# KiCad board RP2040_motor.kicad_pcb
title: RP2040 Motor Controller; date: 2023-05-26; rev: REV3; company: Twisted Fields, LLC
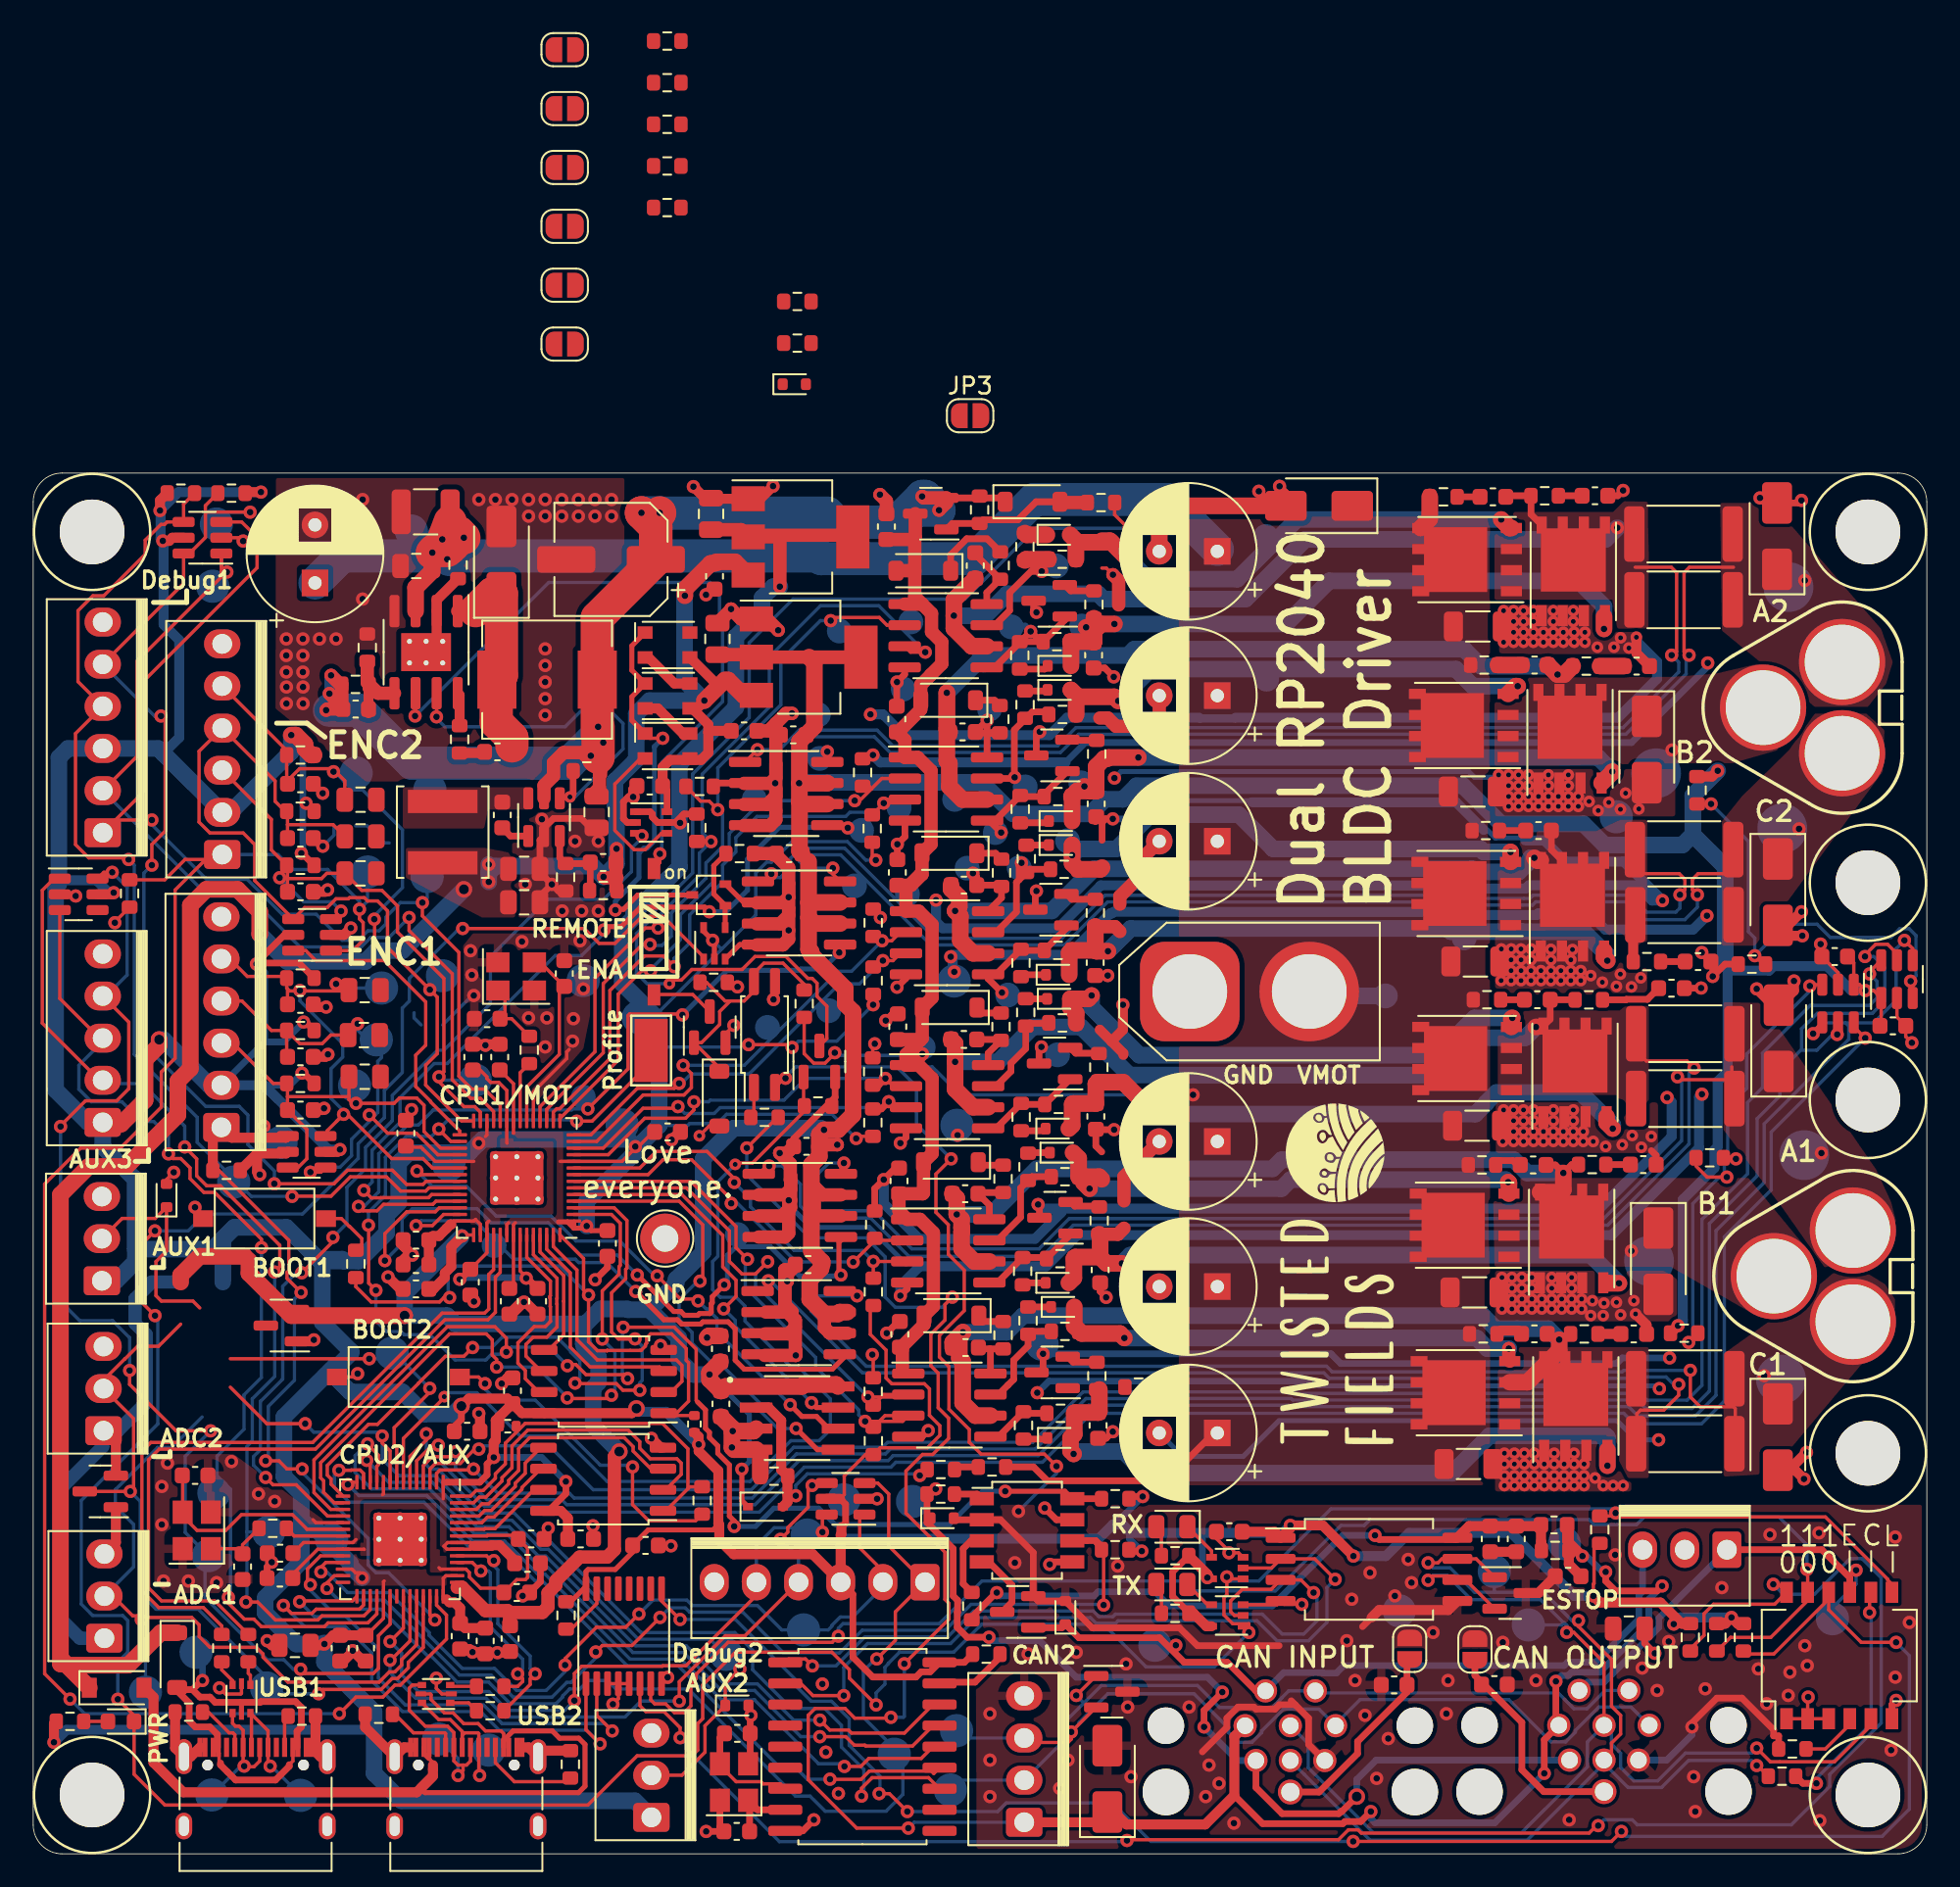
[diagram p0: board, top side]
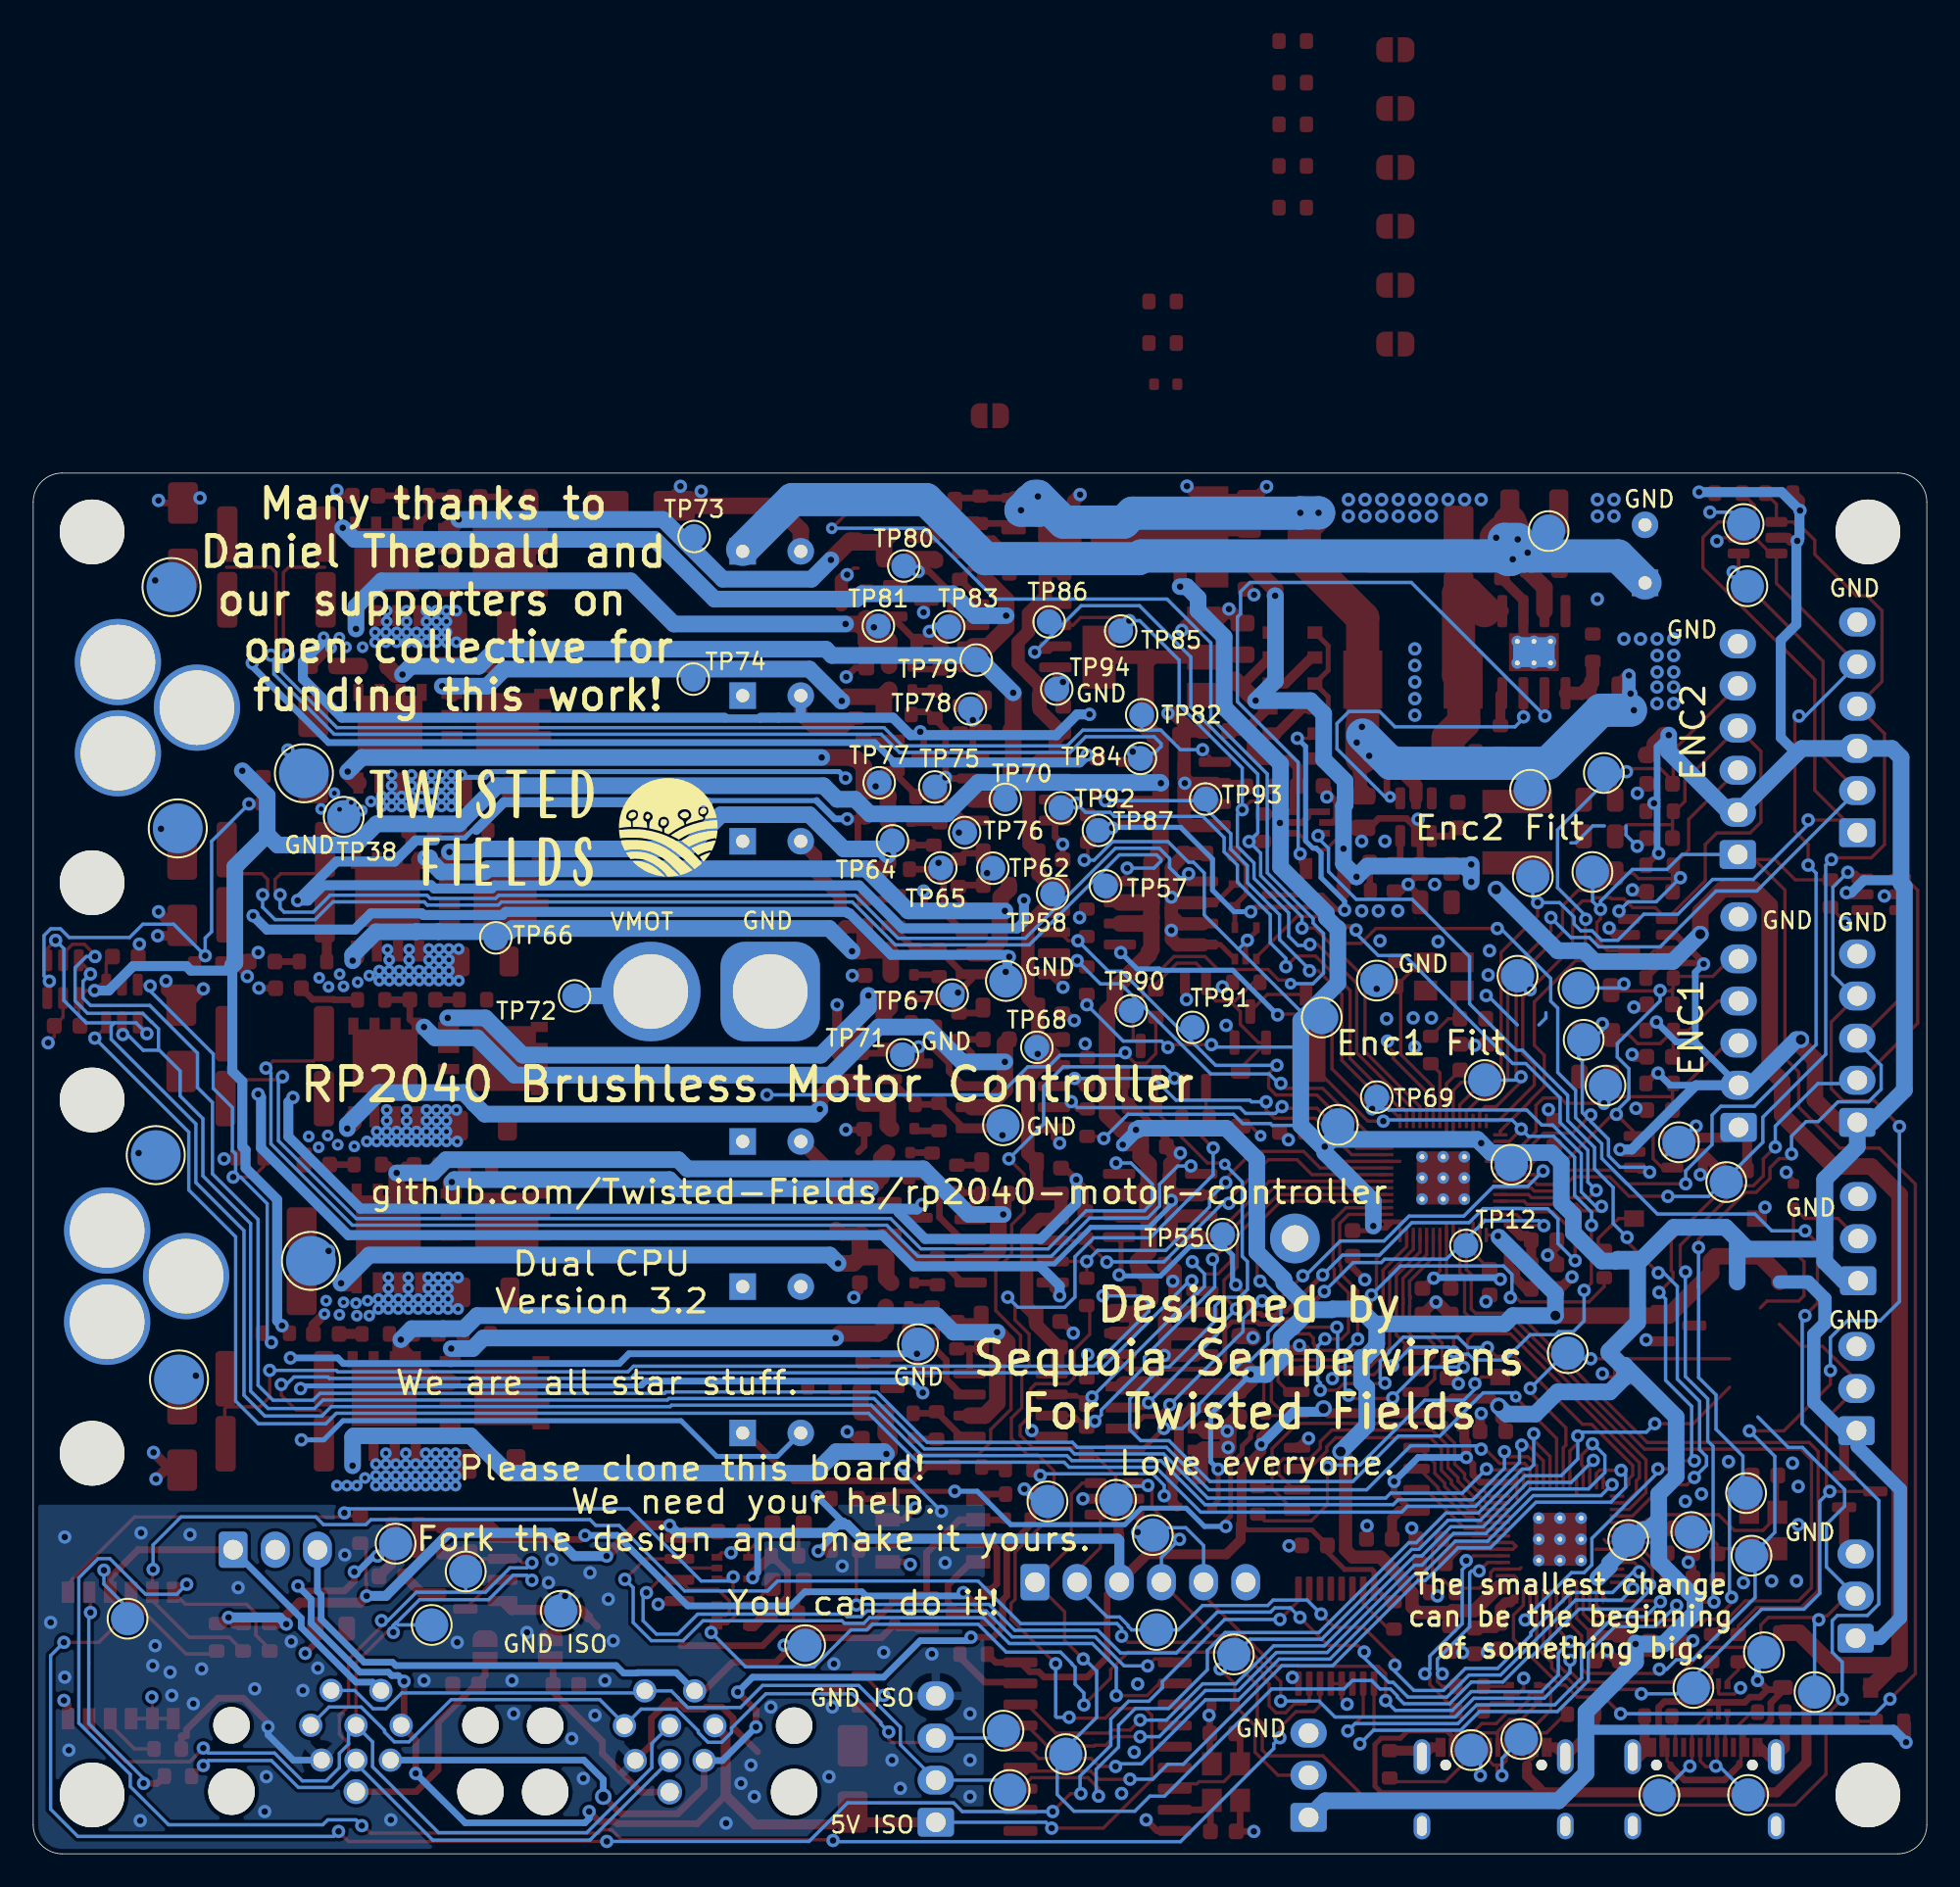
[diagram p1: board, bottom side, seen from below]

Outline 114.1 x 83.25 mm; copper layers: Top, In1.Cu, In2.Cu, Bottom. Coordinates in mm from the lower left corner of the outline.
Outline path: 0,81.5 arc(0.51,82.74) 1.75,83.25 112.35,83.25 arc(113.59,82.74) 114.1,81.5 114.1,1.75 arc(113.59,0.51) 112.35,0 1.75,0 arc(0.51,0.51) 0,1.75 0,81.5
Stack: Top 0.07mm / dielectric 0.1835mm FR4 er 4.5 / In1.Cu 0.061mm / dielectric 0.96mm FR4 er 4.5 / In2.Cu 0.061mm / dielectric 0.1835mm FR4 er 4.5 / Bottom 0.07mm

## Placement (name value [footprint] x y rotation side)
AH1  MOSFETSO-8  [PowerPAK_SO-8_123]  86.4 47.95 180 top
AH2  MOSFETSO-8  [PowerPAK_SO-8_123]  86.4 78.03 180 top
AL1  MOSFETSO-8  [PowerPAK_SO-8_123]  92.9 47.11 90 top
AL2  MOSFETSO-8  [PowerPAK_SO-8_123]  92.8 77.32 90 top
BH1  MOSFETSO-8  [PowerPAK_SO-8_123]  86.25 37.9 180 top
BH2  MOSFETSO-8  [PowerPAK_SO-8_123]  86.2 68.03 180 top
BL1  MOSFETSO-8  [PowerPAK_SO-8_123]  92.7 37.1 90 top
BL2  MOSFETSO-8  [PowerPAK_SO-8_123]  92.6 67.23 90 top
C1  4.7uF 35V  [C_0603_1608Metric]  87.79 18.98 90 top
C2  4.7uF 35V  [C_0603_1608Metric]  52.07 59.17 270 top
C3  100uF 63V solid  [CP_Radial_D8.0mm_P3.50mm]  71.35 69.83 180 top
C4  100uF 63V solid  [CP_Radial_D8.0mm_P3.50mm]  71.35 78.53 180 top
C5  100uF 63V solid  [CP_Radial_D8.0mm_P3.50mm]  71.35 61.05 180 top
C6  100uF 63V solid  [CP_Radial_D8.0mm_P3.50mm]  71.35 34.2 180 top
C7  100uF 63V solid  [CP_Radial_D8.0mm_P3.50mm]  71.35 42.95 180 top
C8  4.7uF 35V  [C_0603_1608Metric]  92.48 16.73 0 top
C9  DNP  [C_0603_1608Metric]  63.99 53.73 90 top
C10  4.7uF 35V  [C_0603_1608Metric]  52.22 31.32 270 top
C11  4.7uF 35V  [C_0603_1608Metric]  52.04 68.42 270 top
C12  DNP  [C_0603_1608Metric]  64.16 25.83 90 top
C13  10uF 35v  [C_0603_1608Metric]  56 67.64 0 top
C14  4.7uF 35V  [C_0603_1608Metric]  52.17 40.57 270 top
C15  4.7uF 35V  [C_0603_1608Metric]  51.41 80.02 270 top
C16  DNP  [C_0603_1608Metric]  64.29 35.21 90 top
C17  DNP  [C_0603_1608Metric]  63.9 72.27 90 top
C18  1u  [C_0603_1608Metric]  108.55 54.1 0 top
C19  20p  [C_0603_1608Metric]  9.76 22.82 0 top
C20  1u  [C_0603_1608Metric]  112.06 49.92 180 top
C21  100n  [C_0603_1608Metric]  28.88 27.92 90 top
C22  100n  [C_0603_1608Metric]  41.44 27.13 270 top
C23  47p  [C_0603_1608Metric]  16.1 64.51 180 top
C24  10u  [C_0805_2012Metric#2]  41.23 73.25 90 top
C25  DNP  [C_0603_1608Metric]  64.05 63.31 90 top
C26  100uF 63V solid  [CP_Radial_D8.0mm_P3.50mm]  71.35 25.38 180 top
C27  20p  [C_0603_1608Metric]  32 53.08 90 top
C28  20p  [C_0603_1608Metric]  27.35 50.35 180 top
C29  10u  [C_0805_2012Metric]  15.77 12.57 180 top
C30  100n  [C_0603_1608Metric]  30.39 33.32 270 top
C31  100n  [C_0603_1608Metric]  26.49 48.04 90 top
C32  1u  [C_0603_1608Metric]  26.34 34.47 270 top
C33  100n  [C_0603_1608Metric]  28.69 33.32 270 top
C34  1u  [C_0603_1608Metric]  23.07 35.53 180 top
C35  1u  [C_0603_1608Metric]  41.41 30.45 270 top
C36  100n  [C_0603_1608Metric]  34.6 36.8 270 top
C37  100n  [C_0603_1608Metric]  22.46 43.45 90 top
C38  100n  [C_0603_1608Metric]  38.23 43.53 0 top
C39  100n  [C_0603_1608Metric]  28.11 48.04 90 top
C40  100n  [C_0603_1608Metric]  23.07 37 180 top
C41  100n  [C_0603_1608Metric]  23.07 34.06 180 top
C42  20p  [C_0603_1608Metric]  12.62 17.32 270 top
C43  100n  [C_0603_1608Metric]  32.99 18.99 0 top
C44  100n  [C_0603_1608Metric]  29.14 15.76 0 top
C45  100n  [C_0603_1608Metric]  14.87 16.63 180 top
C46  100n  [C_0603_1608Metric]  29.79 17.52 0 top
C47  100n  [C_0603_1608Metric]  18.49 12.4 270 top
C48  100n  [C_0603_1608Metric]  20.03 12.4 270 top
C49  100n  [C_0603_1608Metric]  26.15 25.48 0 top
C50  100n  [C_0603_1608Metric]  14.88 18.13 180 top
C51  100n  [C_0603_1608Metric]  25.73 13.13 270 top
C52  100n  [C_0603_1608Metric]  28.74 12.98 270 top
C53  1u  [C_0603_1608Metric]  30.01 18.99 0 top
C54  1u  [C_0603_1608Metric]  27.24 12.84 270 top
C55  100n  [C_0603_1608Metric]  89.36 18.98 90 top
C56  100n  [C_0603_1608Metric]  72.07 19.42 0 top
C57  18p  [C_0603_1608Metric]  42.43 7.26 0 top
C58  18p  [C_0603_1608Metric]  42.39 1.35 180 top
C59  100n  [C_0603_1608Metric]  46.6 42.66 180 top
C60  47p  [C_0603_1608Metric]  16.1 51.22 180 top
C61  47p  [C_0603_1608Metric]  16.1 48.05 180 top
C62  47p  [C_0603_1608Metric]  16.1 44.84 180 top
C63  47p  [C_0603_1608Metric]  16.1 61.24 180 top
C64  47p  [C_0603_1608Metric]  16.1 58 180 top
C65  10uF 35v  [C_0603_1608Metric]  56.08 58.41 0 top
C66  100n  [C_0603_1608Metric]  45.79 67.47 180 top
C67  100n  [C_0603_1608Metric]  36.9 18.59 0 top
C68  2.2uF 100V  [C_1206_3216Metric]  86.48 23.51 0 top
C70  10uF 35v  [C_0603_1608Metric]  56.77 77.67 90 top
C71  10uF 35v  [C_0603_1608Metric]  56.16 39.8 0 top
C72  100n  [C_0603_1608Metric]  46.7 35.53 180 top
C74  100n  [C_0603_1608Metric]  45.54 60.31 180 top
C76  2.2uF 100V  [C_1206_3216Metric]  87 43.9 0 top
C77  2.2uF 100V  [C_1206_3216Metric]  87.05 74 0 top
C78  2.2uF 100V  [C_1206_3216Metric]  86.9 53.8 0 top
C79  2.2uF 100V  [C_1206_3216Metric]  86.75 64.05 0 top
C80  2.2uF 100V  [C_1206_3216Metric]  86.85 33.85 0 top
C81  4.7uF 35V  [C_0603_1608Metric]  52.1 49.87 270 top
C82  DNP  [C_0603_1608Metric]  64.03 44.46 90 top
C84  10uF 35v  [C_0603_1608Metric]  56.08 49.1 0 top
C85  10uF 35v  [C_0603_1608Metric]  56.18 30.53 0 top
C86  10u  [C_0805_2012Metric#2]  96.15 13.58 0 top
C87  22nF  [C_0805_2012Metric#2]  19.98 46.86 180 top
C88  22nF  [C_0805_2012Metric#2]  19.93 49.37 0 top
C89  22nF  [C_0805_2012Metric#2]  19.98 52.08 0 top
C90  22nF  [C_0805_2012Metric#2]  19.73 59.12 180 top
C91  22nF  [C_0805_2012Metric#2]  19.73 61.35 180 top
C92  22nF  [C_0805_2012Metric#2]  19.73 63.56 180 top
C93  C  [C_0603_1608Metric]  90.63 51.5 0 top
C94  22uF 25V  [C_0805_2012Metric#2]  33.95 62.81 270 top
C95  47uF 10v  [C_0805_2012Metric#2]  29.59 59.39 180 top
C96  22uF 25V  [C_0805_2012Metric#2]  29.59 57.37 180 top
C97  22pF  [C_0603_1608Metric]  34.34 59.77 180 top
C98  22nF  [C_0603_1608Metric]  28.27 62.64 90 top
C99  C  [C_0603_1608Metric]  90.38 41.54 0 top
C100  C  [C_0603_1608Metric]  90.45 31.35 0 top
C101  C  [C_0603_1608Metric]  87.95 81.81 0 top
C102  C  [C_0603_1608Metric]  94.1 81.88 0 top
C103  C  [C_0603_1608Metric]  90.7 61.7 0 top
C104  C  [C_0603_1608Metric]  100.31 53.8 0 top
C105  C  [C_0603_1608Metric]  96.61 71.61 0 top
C106  C  [C_0603_1608Metric]  90.47 71.68 0 top
C107  C  [C_0603_1608Metric]  98.72 52.19 0 top
C108  C  [C_0603_1608Metric]  97.01 41.56 0 top
C109  C  [C_0603_1608Metric]  96.44 31.34 0 top
C110  10u  [C_0805_2012Metric#2]  40.85 80.78 90 top
C111  4.7uF 100V  [C_1210_3225Metric]  23.65 80.91 180 top
C112  100nF 100V  [C_0805_2012Metric#2]  23.09 77.65 180 top
C113  47pf  [C_0603_1608Metric]  19.43 69.02 0 top
C114  100n  [C_0603_1608Metric]  27.97 66.44 180 top
C115  220uF 25V  [CP_Elec_6.3x7.7]  34.82 78.04 180 top
C119  0.1uF  [C_0603_1608Metric]  37.15 64.38 180 top
C120  47uF 63V solid  [CP_Radial_D8.0mm_P3.50mm]  16.98 76.62 90 top
C121  1u  [C_0603_1608Metric]  42.84 67.71 0 top
C122  1u  [C_0603_1608Metric]  41.05 77.03 270 top
C123  1u  [C_0603_1608Metric]  88.04 10.21 0 top
C124  1u  [C_0603_1608Metric]  82 10.19 180 top
CH1  MOSFETSO-8  [PowerPAK_SO-8_123]  86.3 27.8 180 top
CH2  MOSFETSO-8  [PowerPAK_SO-8_123]  86.35 57.9 180 top
CL1  MOSFETSO-8  [PowerPAK_SO-8_123]  92.95 27 90 top
CL2  MOSFETSO-8  [PowerPAK_SO-8_123]  92.75 57.1 90 top
D1  ESDCAN24-2BLY  [SOT-23]  89 15.73 0 top
D2  FR107  [D_SOD-123#2]  55.13 69.55 180 top
D3  TVS 5V  [D_SMA]  64.72 4.52 90 top
D4  SMAJ51A  [D_SMA]  77.48 81.28 180 top
D5  CDBU0130R-HF  [D_SOD-523]  61.73 53 0 top
D6  CDBU0130R-HF  [D_SOD-523]  61.9 60.83 0 top
D7  FR107  [D_SOD-123#2]  53.63 77.36 180 top
D8  SMAJ51A  [D_SMA]  97.22 66.58 270 top
D9  SMAJ51A  [D_SMA]  105.12 57.98 270 top
D10  FR107  [D_SOD-123#2]  55.21 60.33 180 top
D11  FR107  [D_SOD-123#2]  55.33 32.45 180 top
D12  CDBU0130R-HF  [D_SOD-523]  61.8 25.08 0 top
D13  CDBU0130R-HF  [D_SOD-523]  62.03 32.98 0 top
D14  CDBU0130R-HF  [D_SOD-523]  61.83 71.62 0 top
D15  CDBU0130R-HF  [D_SOD-523]  61.82 70.18 0 top
D16  CDBU0130R-HF  [D_SOD-523]  61.9 62.27 0 top
D17  CDBU0130R-HF  [D_SOD-523]  61.78 79.53 0 top
D18  SMAJ51A  [D_SMA]  105.07 79.45 90 top
D19  FR107  [D_SOD-123#2]  55.22 51.03 180 top
D20  CDBU0130R-HF  [D_SOD-523]  61.71 43.73 0 top
D21  FR107  [D_SOD-123#2]  55.29 41.7 180 top
D22  CDBU0130R-HF  [D_SOD-523]  61.71 34.43 0 top
D23  CDBU0130R-HF  [D_SOD-523]  61.96 42.28 0 top
D24  CDBU0130R-HF  [D_SOD-523]  61.79 51.55 0 top
D25  SMAJ51A  [D_SMA]  97.92 35.73 270 top
D26  SMAJ51A  [D_SMA]  105.12 25.13 270 top
D27  SS310  [D_SMA]  28.21 78.03 90 top
D28  TVS 3.3V  [D_SOD-523]  54.77 20.23 0 top
D29  TVS 3.3V  [D_SOD-523]  42.4 8.95 0 top
D30  TVS 3.3V  [D_SOD-523]  8.04 39.69 90 top
D31  1N4148WS  [D_SOD-323]  44.12 20.93 0 top
D32  TVS 3.3V  [D_SOD-523]  62.2 14.54 90 top
D33  WS2812B  [LED_WS2812_3528_3.5x2.8mm_P1.5mm]  38.22 66.79 0 top
D34  WS2812B  [LED_WS2812_3528_3.5x2.8mm_P1.5mm]  38.22 69.81 0 top
D35  WS2812B  [LED_WS2812_3528_3.5x2.8mm_P1.5mm]  38.22 72.88 0 top
D36  BAT54S  [SOT-23]  4.04 21.85 180 top
D37  B5819W SL  [D_SOD-123]  5.03 10.01 0 top
D38  LED_GREEN  [LED_0805_2012Metric]  68.6 16.24 180 top
D39  LED_YELLOW  [LED_0805_2012Metric]  68.61 19.72 180 top
D40  ESDCAN24-2BLY  [SOT-23]  65 9.78 0 top
D41  LED_RED  [LED_0603_1608Metric]  5.29 7.98 180 top
D42  SMAJ51A  [D_SMA]  105.17 49.17 90 top
D43  B5819W SL  [D_SOD-123#2]  8.68 11.68 270 top
D44  BAT54S  [SOT-23]  14.96 31.85 180 top
D45  10V Zener  [D_SOD-123#2]  41.35 45.53 270 top
D46  7.5V Zener  [D_SOD-123#2]  60.22 81.52 0 top
D54  CDBU0130R-HF  [D_SOD-523]  45.86 88.61 0 top
FB2  1.6Ω ±25% 1kΩ@100MHz  [L_0603_1608Metric]  91.64 19.83 0 top
G***  LOGO  [twisted_2]  80.5 19.22 90 top
G***#2  LOGO  [twisted]  76.6 31.5 90 top
G***#3  LOGO  [twisted_icon]  78.46 42.46 90 top
G***#4  LOGO  [twisted_2]  96.1 59.83 180 bottom
G***#5  LOGO  [twisted_icon]  75.64 61.88 180 bottom
G***#6  LOGO  [twisted]  87.07 63.9 180 bottom
H1  MountingHole  [MountingHole_3.9mm_Plastite_#6]  110.55 3.55 0 top
H2  MountingHole  [MountingHole_3.9mm_Plastite_#6]  110.55 58.55 180 top
H3  MountingHole  [MountingHole_3.9mm_Plastite_#6]  3.55 3.55 0 top
H4  MountingHole  [MountingHole_3.9mm_Plastite_#6]  3.55 79.7 0 top
H6  MountingHole  [MountingHole_3.9mm_Plastite_#6]  110.55 79.7 0 top
H7  MountingHole  [MountingHole_3.9mm_Plastite_#6]  110.55 24.15 0 top
H8  MountingHole  [MountingHole_3.9mm_Plastite_#6]  110.55 45.45 0 top
J1  CPU1 USB  [USB_C_Receptacle_XKB_U262-16XN-4BVC11]  13.4 2.75 0 top
J2  CAN Input  [M12A-08PFFR]  75.75 -2.07 0 top
J3  Encoder 1  [Ckmtw-W-2510S06P_1x06_P2.54mm_Vertical]  11 43.8 90 top
J4  Encoder 2  [Ckmtw-W-2510S06P_1x06_P2.54mm_Vertical]  11.05 60.25 90 top
J5  Conn_01x06  [Ckmtw-W-2510S06P_1x06_P2.54mm_Vertical]  3.85 61.56 90 top
J6  CPU2 USB  [USB_C_Receptacle_XKB_U262-16XN-4BVC11]  26.1 2.75 0 top
J8  Estop Conn  [BOOMELE-2510-3A_1x03_P2.54mm_Vertical]  102.06 18 180 top
J9  ADC AUX 1  [BOOMELE-2510-3A_1x03_P2.54mm_Vertical]  3.95 13 90 top
J10  AUX GPIO 1  [BOOMELE-2510-3A_1x03_P2.54mm_Vertical]  3.8 34.55 90 top
J11  CAN2 PLUG  [PINREX-744-81-04TW00 _1x04_P2.54mm_Vertical]  59.38 1.9 90 top
J12  Conn_01x06  [Ckmtw-W-2510S06P_1x06_P2.54mm_Vertical]  53.74 16.04 180 top
J13  ADC AUX 2  [BOOMELE-2510-3A_1x03_P2.54mm_Vertical]  3.9 25.51 90 top
J14  AUX GPIO 2  [BOOMELE-2510-3A_1x03_P2.54mm_Vertical]  36.91 2.2 90 top
J15  AUX Encoder  [BOOMELE-2510-5A _1x05_P2.54mm_Vertical]  3.85 44.1 90 top
J17  CAN Output  [M12A-08PFFR]  94.65 -2.05 0 top
J19  Conn_01x03  [MT60-F.G.Y]  109 69.11 180 top
J20  Conn_01x03  [MT60-F.G.Y]  109.64 34.83 180 top
J21  Power Input  [AMASS_XT60-F_1x02_P7.20mm_Vertical]  69.69 51.99 0 top
JP1  SolderJumper_2_Open  [SolderJumper-2_P1.3mm_Open_RoundedPad1.0x1.5mm]  32.02 108.78 0 top
JP2  SolderJumper_2_Open  [SolderJumper-2_P1.3mm_Open_RoundedPad1.0x1.5mm]  32.02 105.23 0 top
JP3  SolderJumper_2_Open  [SolderJumper-2_P1.3mm_Open_RoundedPad1.0x1.5mm]  56.46 86.71 0 top
JP4  SolderJumper_2_Open  [SolderJumper-2_P1.3mm_Open_RoundedPad1.0x1.5mm]  32.02 101.68 0 top
JP5  SolderJumper_2_Open  [SolderJumper-2_P1.3mm_Open_RoundedPad1.0x1.5mm]  32.02 98.12 0 top
JP6  SolderJumper_2_Open  [SolderJumper-2_P1.3mm_Open_RoundedPad1.0x1.5mm]  86.87 12.33 270 top
JP7  SolderJumper_2_Open  [SolderJumper-2_P1.3mm_Open_RoundedPad1.0x1.5mm]  82.94 12.37 270 top
JP8  SolderJumper_2_Open  [SolderJumper-2_P1.3mm_Open_RoundedPad1.0x1.5mm]  32.02 94.58 0 top
JP9  SolderJumper_2_Open  [SolderJumper-2_P1.3mm_Open_RoundedPad1.0x1.5mm]  32.02 91.03 0 top
L2  10uH  [L_Sunlord_SWPA5040S]  24.68 61.6 270 top
L3  47uH  [L_Chilisin_BMRB00060612]  30.96 70.8 0 top
Q1  Q_PNP_BEC  [SOT-23]  61.38 66.23 180 top
Q2  Q_PNP_BEC  [SOT-23]  61.32 56.93 180 top
Q3  Q_PNP_BEC  [SOT-23]  61.22 75.55 180 top
Q4  Q_PNP_BEC  [SOT-23]  61.54 47.65 180 top
Q5  Q_PNP_BEC  [SOT-23]  61.57 38.35 180 top
Q6  Q_PNP_BEC  [SOT-23]  61.4 29.03 180 top
Q7  Q_NMOS_GSD  [SOT-23]  59.32 14.59 180 top
Q8  Q_NMOS_GSD  [SOT-23]  40.77 49.84 90 top
Q9  AO3400A  [SOT-23]  47.37 47.77 90 top
Q10  AO3401A  [SOT-23]  54.09 80.8 180 top
Q11  L2N7002SWT1G  [SOT-323_SC-70]  40.71 57.82 180 top
R1  0R  [R_0603_1608Metric]  58.35 59.15 270 top
R2  50k 0.1%  [R_0603_1608Metric]  57.77 23.33 180 top
R3  0R  [R_0603_1608Metric]  58.27 77.67 270 top
R4  R  [R_0603_1608Metric]  87.6 51.5 0 top
R5  R  [R_0603_1608Metric]  87.3 41.54 0 top
R6  0R  [R_0603_1608Metric]  58.44 40.7 270 top
R7  0R  [R_0603_1608Metric]  59.52 53.71 270 top
R8  0R  [R_0603_1608Metric]  59.84 59.99 90 top
R9  120R  [R_0603_1608Metric]  105.38 4.68 0 top
R10  510R  [R_0603_1608Metric]  106 6.33 180 top
R11  10k  [R_0603_1608Metric]  103.05 13.05 270 top
R12  10k  [R_0603_1608Metric]  101.45 13.05 270 top
R13  10k  [R_0603_1608Metric]  99.85 13.05 270 top
R14  R  [R_0603_1608Metric]  87.38 31.35 0 top
R15  110k 0.1%  [R_0603_1608Metric]  34.35 58.08 0 top
R16  15k 0.1%  [R_0603_1608Metric]  32.08 58.88 270 top
R17  10k  [R_0603_1608Metric]  94.39 19.55 90 top
R18  0R  [R_0603_1608Metric]  59.48 62.99 270 top
R19  0R  [R_0603_1608Metric]  58.44 31.27 270 top
R20  0R  [R_0603_1608Metric]  59.67 25.83 270 top
R21  10k  [R_0603_1608Metric]  101.02 41.97 0 top
R22  0R  [R_0603_1608Metric]  59.77 69.28 90 top
R23  10.2R  [R_0603_1608Metric]  64.08 66.31 270 top
R24  10.2R  [R_0603_1608Metric]  62.02 68.69 0 top
R25  10.2R  [R_0603_1608Metric]  61.74 63.74 0 top
R26  0R  [R_0603_1608Metric]  58.24 68.41 270 top
R27  10.2R  [R_0603_1608Metric]  61.75 54.47 0 top
R28  10.2R  [R_0603_1608Metric]  62.13 59.36 0 top
R29  10.2R  [R_0603_1608Metric]  64 56.73 270 top
R30  0R  [R_0603_1608Metric]  59.45 72.25 270 top
R31  0R  [R_0603_1608Metric]  59.76 78.81 90 top
R32  10.2R  [R_0603_1608Metric]  61.68 73.09 0 top
R33  10.2R  [R_0603_1608Metric]  62.01 78.05 0 top
R34  0R  [R_0603_1608Metric]  59.62 35.13 270 top
R35  0R  [R_0603_1608Metric]  59.95 41.42 90 top
R36  10.2R  [R_0603_1608Metric]  63.91 75.32 270 top
R37  0R  [R_0603_1608Metric]  58.32 49.87 270 top
R38  0R  [R_0603_1608Metric]  59.53 44.42 270 top
R39  0R  [R_0603_1608Metric]  59.8 50.73 90 top
R40  5.1k  [R_0603_1608Metric]  20.83 8.41 0 top
R41  1.1k  [R_0603_1608Metric]  19.44 35.57 90 top
R42  DNS  [R_0402_1005Metric]  39.84 25.92 90 top
R43  5.1k  [R_0603_1608Metric]  9.38 8.54 0 top
R44  5.1k  [R_0603_1608Metric]  16.19 8.3 0 top
R45  10k  [R_0603_1608Metric]  103.56 53.64 180 top
R46  5.1k  [R_0603_1608Metric]  32.37 5.4 90 top
R47  1.1k  [R_0603_1608Metric]  14.44 19.63 180 top
R48  120R  [R_0603_1608Metric]  56.55 14.94 90 top
R49  5.1k  [R_0603_1608Metric]  65.19 18.34 180 top
R50  3mΩ  [R_2512_6332Metric]  99.54 28.65 0 top
R51  DNS  [R_0402_1005Metric]  28.59 25.78 0 top
R52  1.1k  [R_0603_1608Metric]  29.89 48.47 90 top
R53  10k  [R_0603_1608Metric]  16.1 66.25 180 top
R54  10k  [R_0603_1608Metric]  16.1 52.8 180 top
R55  10k  [R_0603_1608Metric]  16.1 62.86 180 top
R56  10k  [R_0603_1608Metric]  16.1 49.64 180 top
R57  10k  [R_0603_1608Metric]  16.1 59.6 180 top
R58  10k  [R_0603_1608Metric]  16.1 46.45 180 top
R59  10.2R  [R_0603_1608Metric]  61.78 45.19 0 top
R60  27  [R_0603_1608Metric]  12.96 12.4 90 top
R61  27  [R_0603_1608Metric]  11.36 12.4 90 top
R62  5.1k  [R_0603_1608Metric]  11.95 82.04 180 top
R63  5.1k  [R_0603_1608Metric]  8.9 82.04 180 top
R64  50k 0.1%  [R_0603_1608Metric]  54.69 23.17 180 top
R65  5.1k 0.1%  [R_0603_1608Metric]  44.64 22.77 180 top
R66  1.1k  [R_0603_1608Metric]  40.31 21.3 270 top
R67  27R  [R_0603_1608Metric]  68.81 14.5 180 top
R68  56R  [R_0603_1608Metric]  68.81 17.98 180 top
R69  10.2R  [R_0603_1608Metric]  62.02 50.1 0 top
R70  27  [R_0603_1608Metric]  27.54 8.63 0 top
R71  27  [R_0603_1608Metric]  27.54 10.1 0 top
R72  10k  [R_0603_1608Metric]  57.43 12.04 180 top
R73  10.2R  [R_0603_1608Metric]  64.21 47.43 270 top
R74  10k  [R_0603_1608Metric]  11.65 41.21 0 top
R75  120R  [R_0603_1608Metric]  54.68 21.69 0 top
R76  5.1k  [R_0603_1608Metric]  65.2 21.41 180 top
R77  82R  [R_0603_1608Metric]  2.22 7.99 0 top
R78  10.2R  [R_0603_1608Metric]  61.88 35.89 0 top
R79  10k  [R_0603_1608Metric]  5.81 57.9 270 top
R80  10.2R  [R_0603_1608Metric]  62.17 40.83 0 top
R81  10.2R  [R_0603_1608Metric]  64.23 38.18 270 top
R82  0R  [R_0603_1608Metric]  59.95 32.15 90 top
R83  10.2R  [R_0603_1608Metric]  61.91 26.56 0 top
R84  10.2R  [R_0603_1608Metric]  62.17 31.5 0 top
R85  10.2R  [R_0603_1608Metric]  64.09 28.81 270 top
R86  R  [R_0603_1608Metric]  84.97 81.81 0 top
R87  R  [R_0603_1608Metric]  91.07 81.88 0 top
R88  R  [R_0603_1608Metric]  87.53 61.7 0 top
R89  R  [R_0603_1608Metric]  97.23 53.8 0 top
R90  R  [R_0603_1608Metric]  93.59 71.61 0 top
R91  R  [R_0603_1608Metric]  87.44 71.68 0 top
R92  R  [R_0603_1608Metric]  93.73 51.49 0 top
R93  R  [R_0603_1608Metric]  93.94 41.56 0 top
R94  R  [R_0603_1608Metric]  93.46 31.34 0 top
R95  50mΩ  [R_0603_1608Metric]  25.6 77.71 90 top
R96  300k  [R_0603_1608Metric]  19.42 70.51 180 top